# Altium PCB master.PcbDoc (part 1 of 5)
Units mm, origin at the board's own origin, x right, y up, seen from the top; angles counter-clockwise.
Board outline 160 x 120 mm, 4 copper layers (Top Copper, Signal Layer 1, Signal Layer 2, Bot Copper), stack 1.56 mm thick; 330 components, 331 nets, 1402 pads, 711 vias.
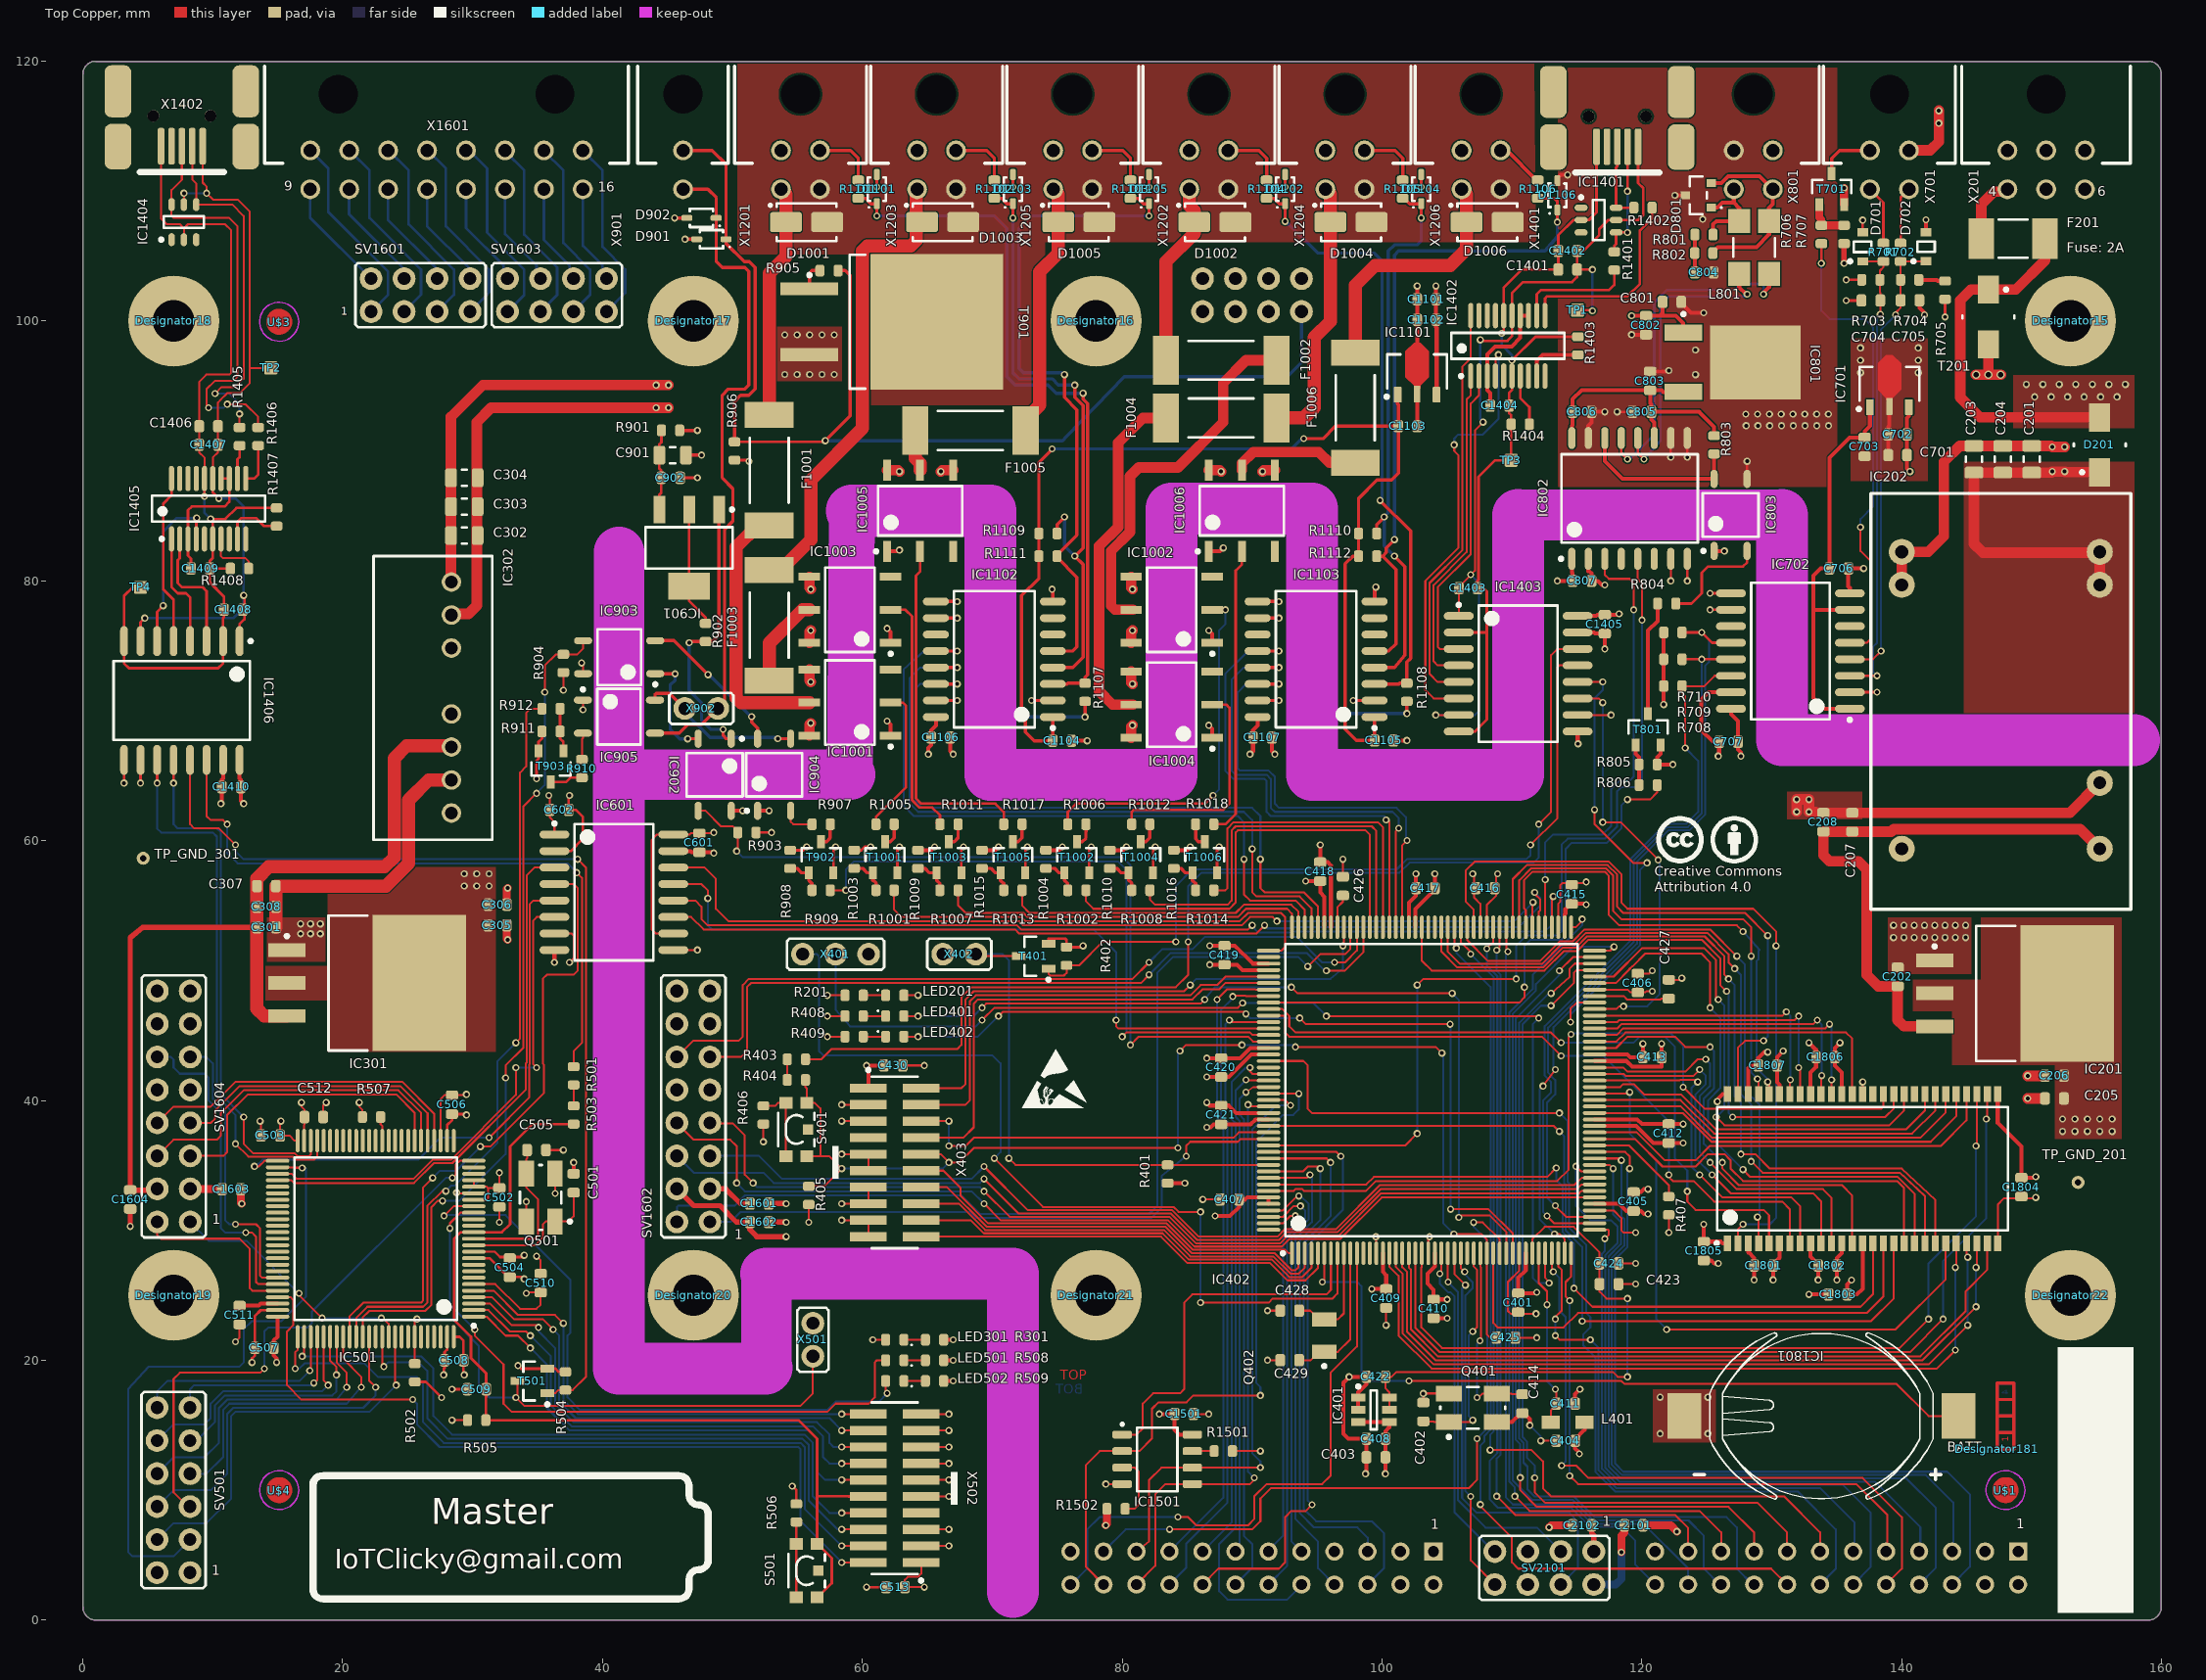
[diagram p0: Top Copper view]
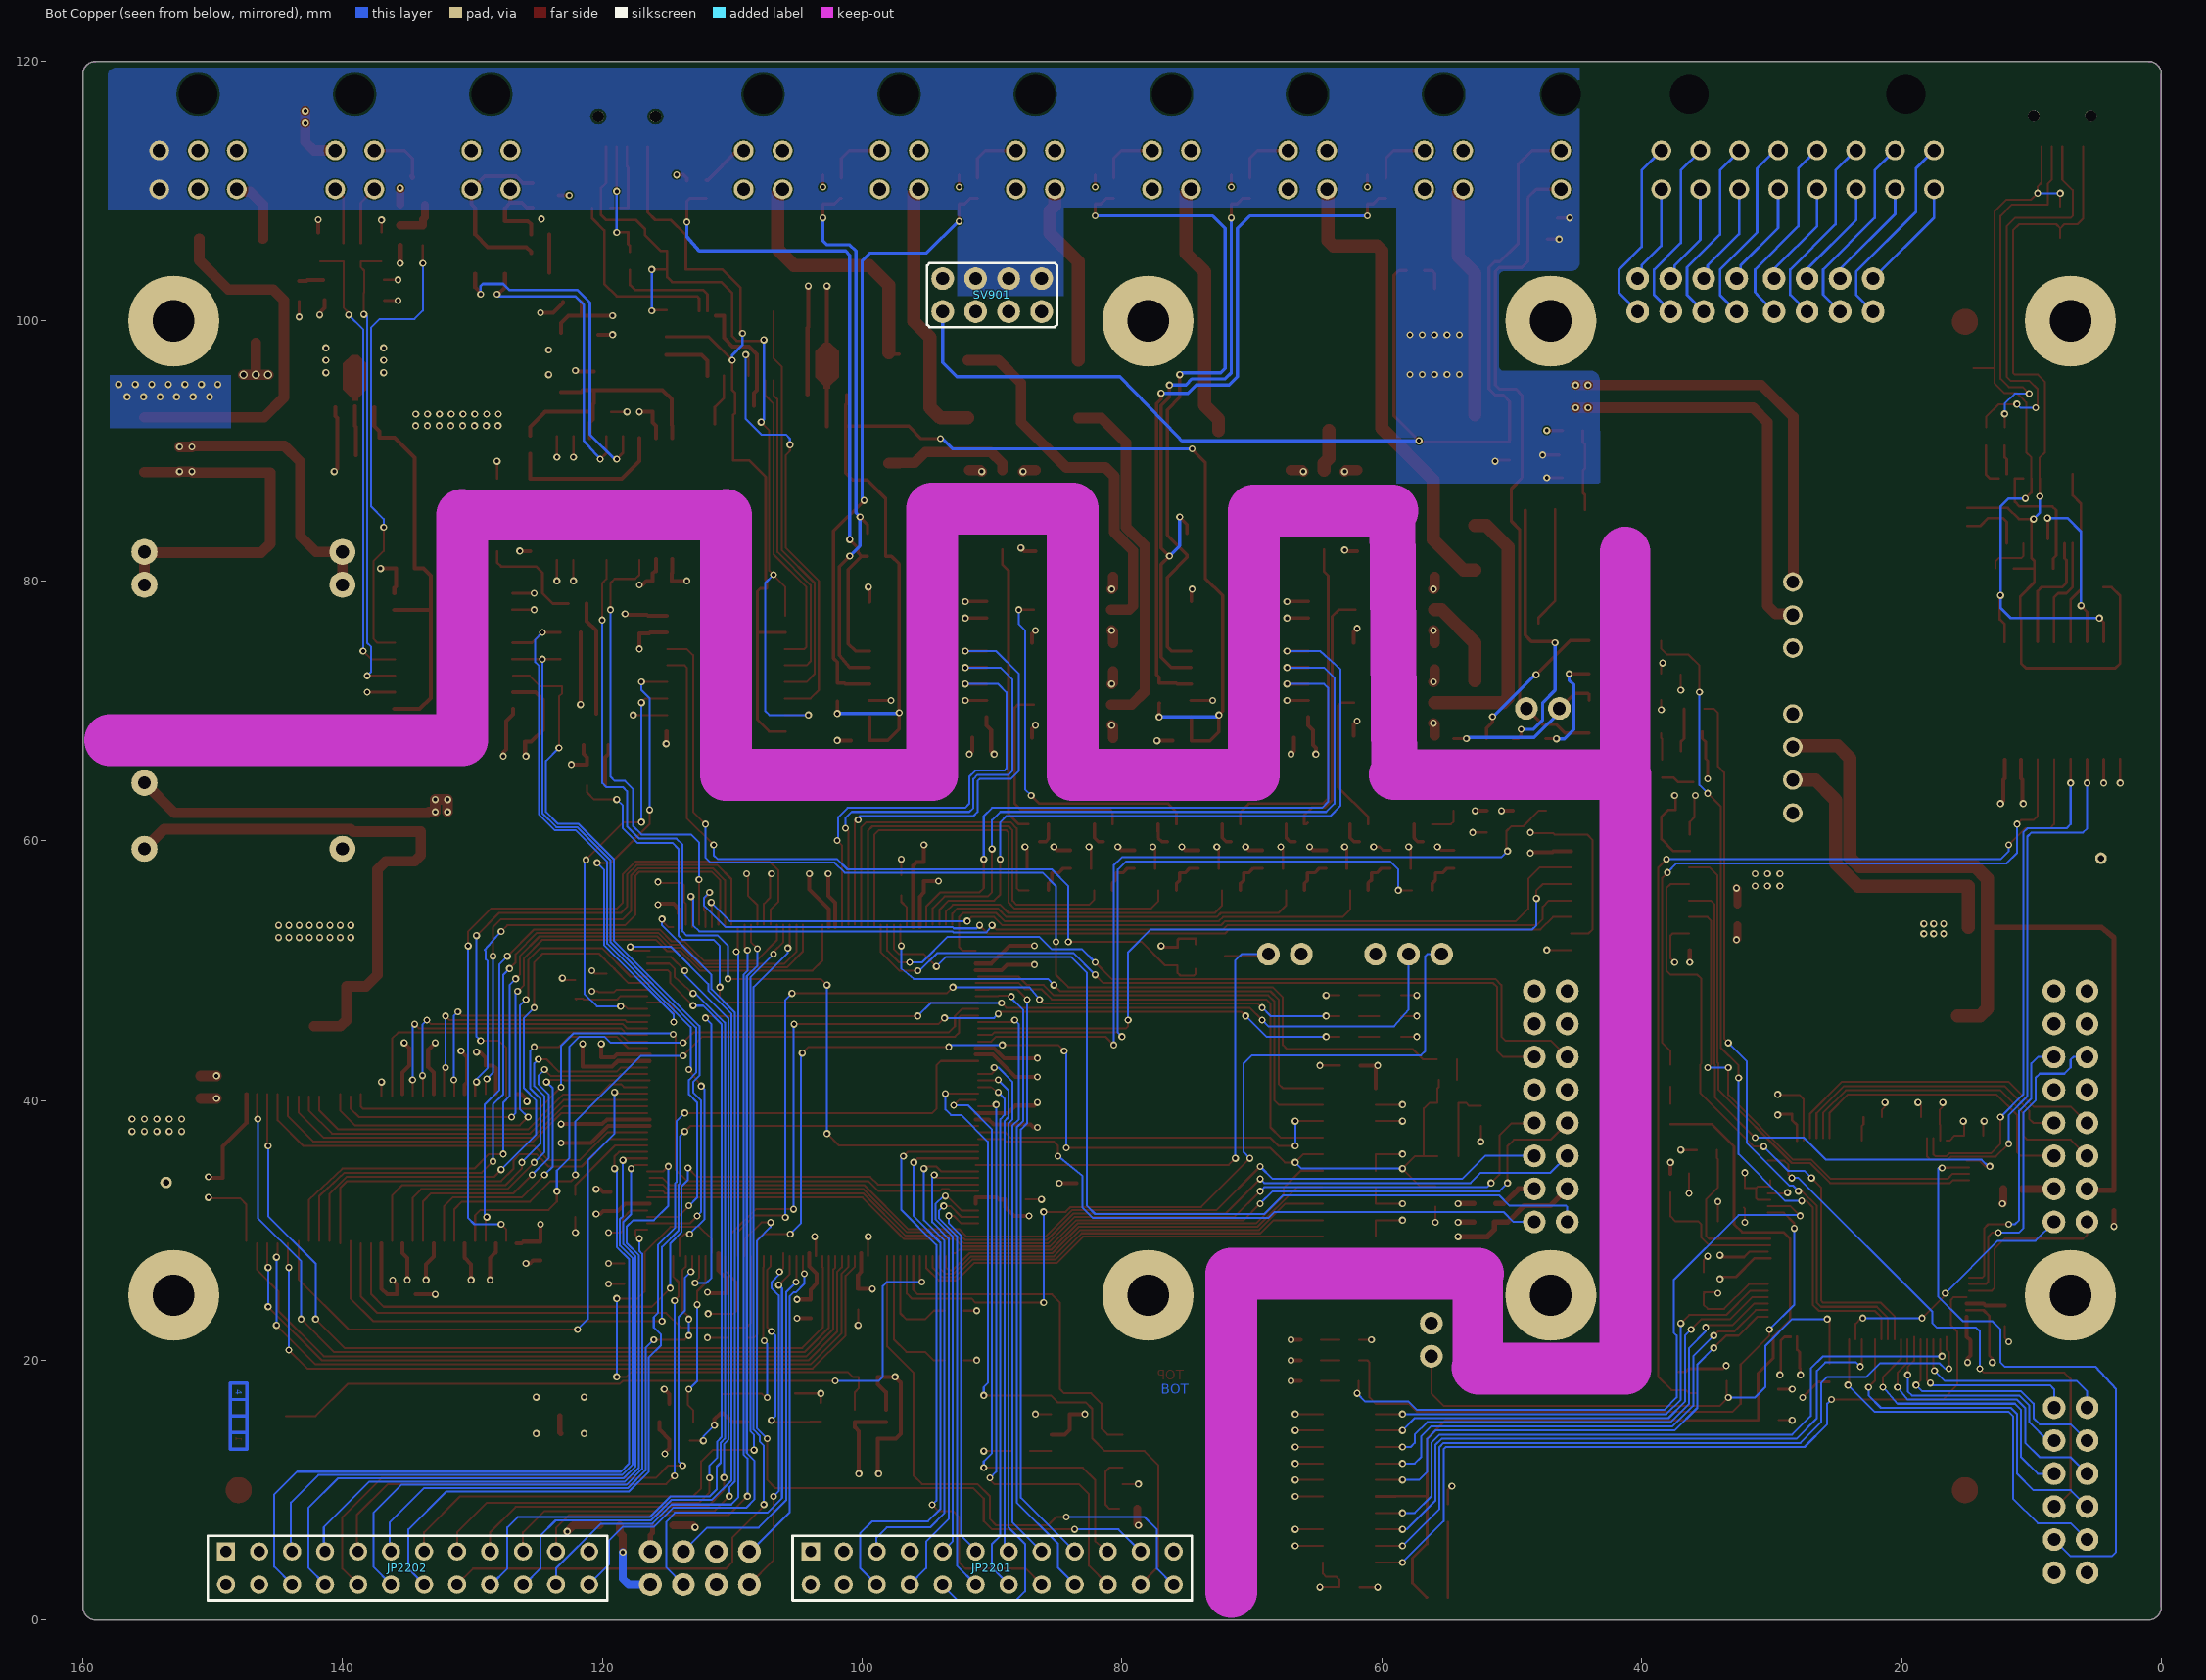
[diagram p1: Bot Copper view, seen from below]
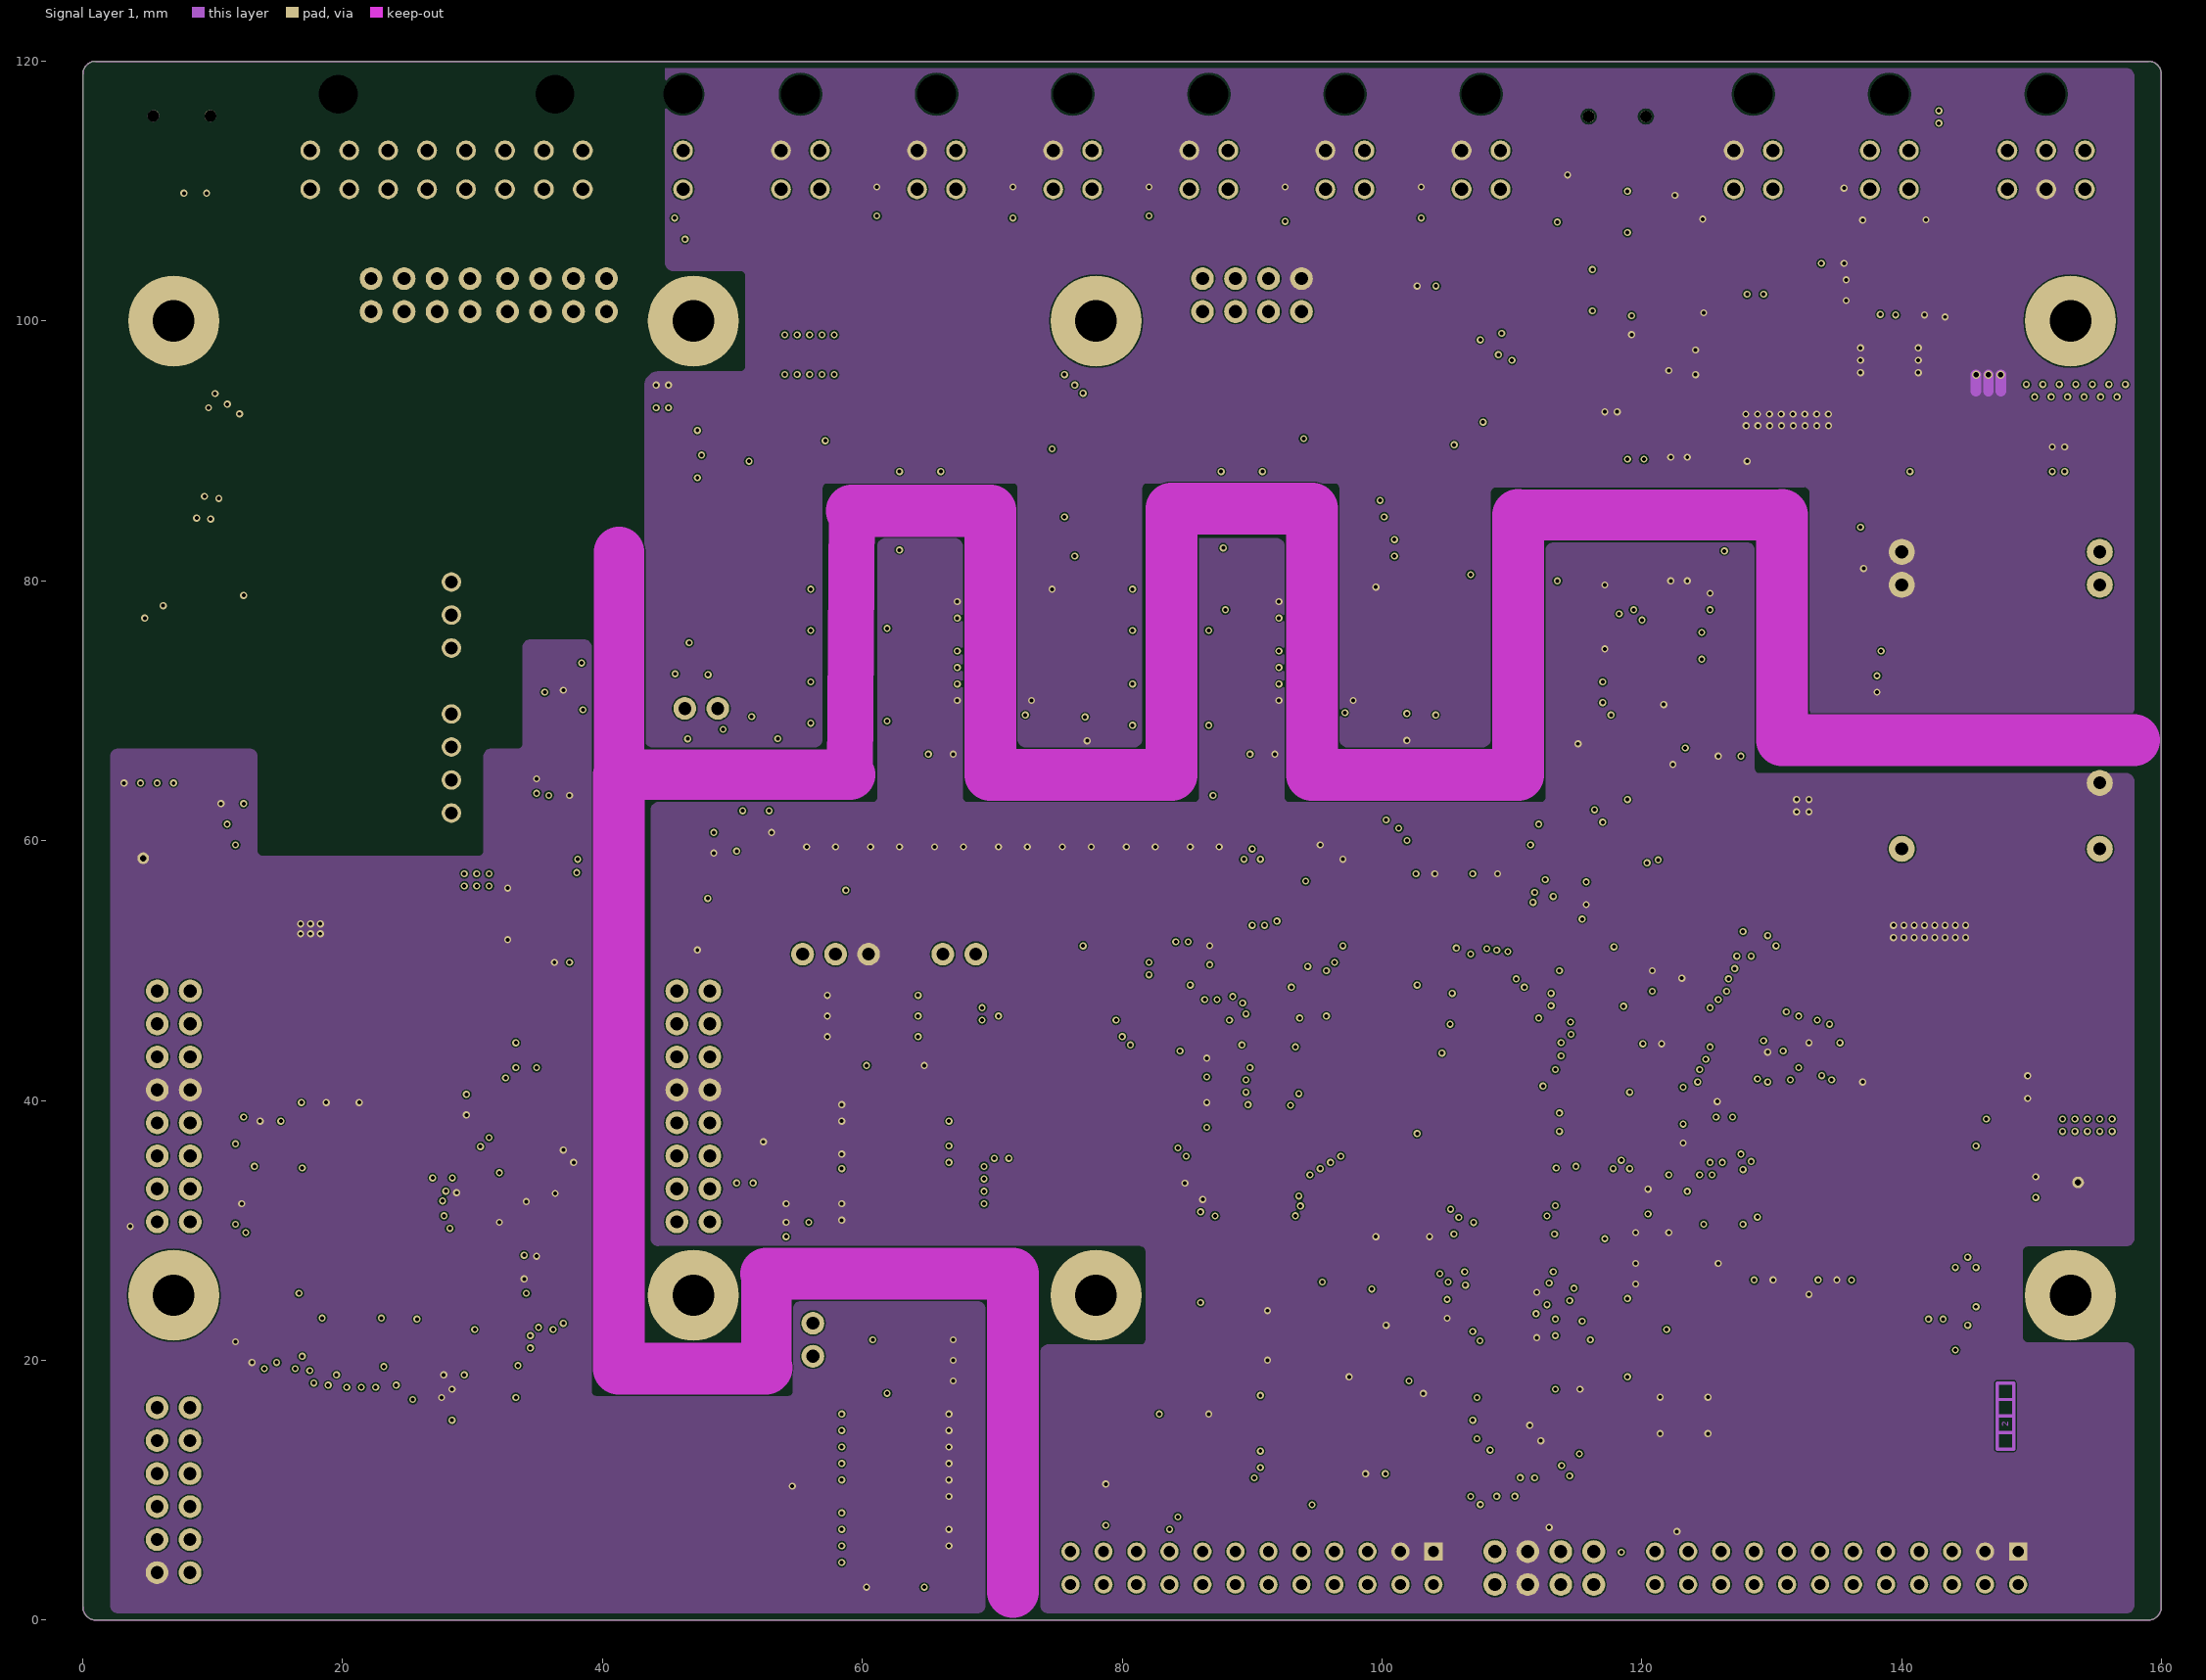
[diagram p2: Signal Layer 1]